# KiCad board hellen88bmw.kicad_pcb (continued)
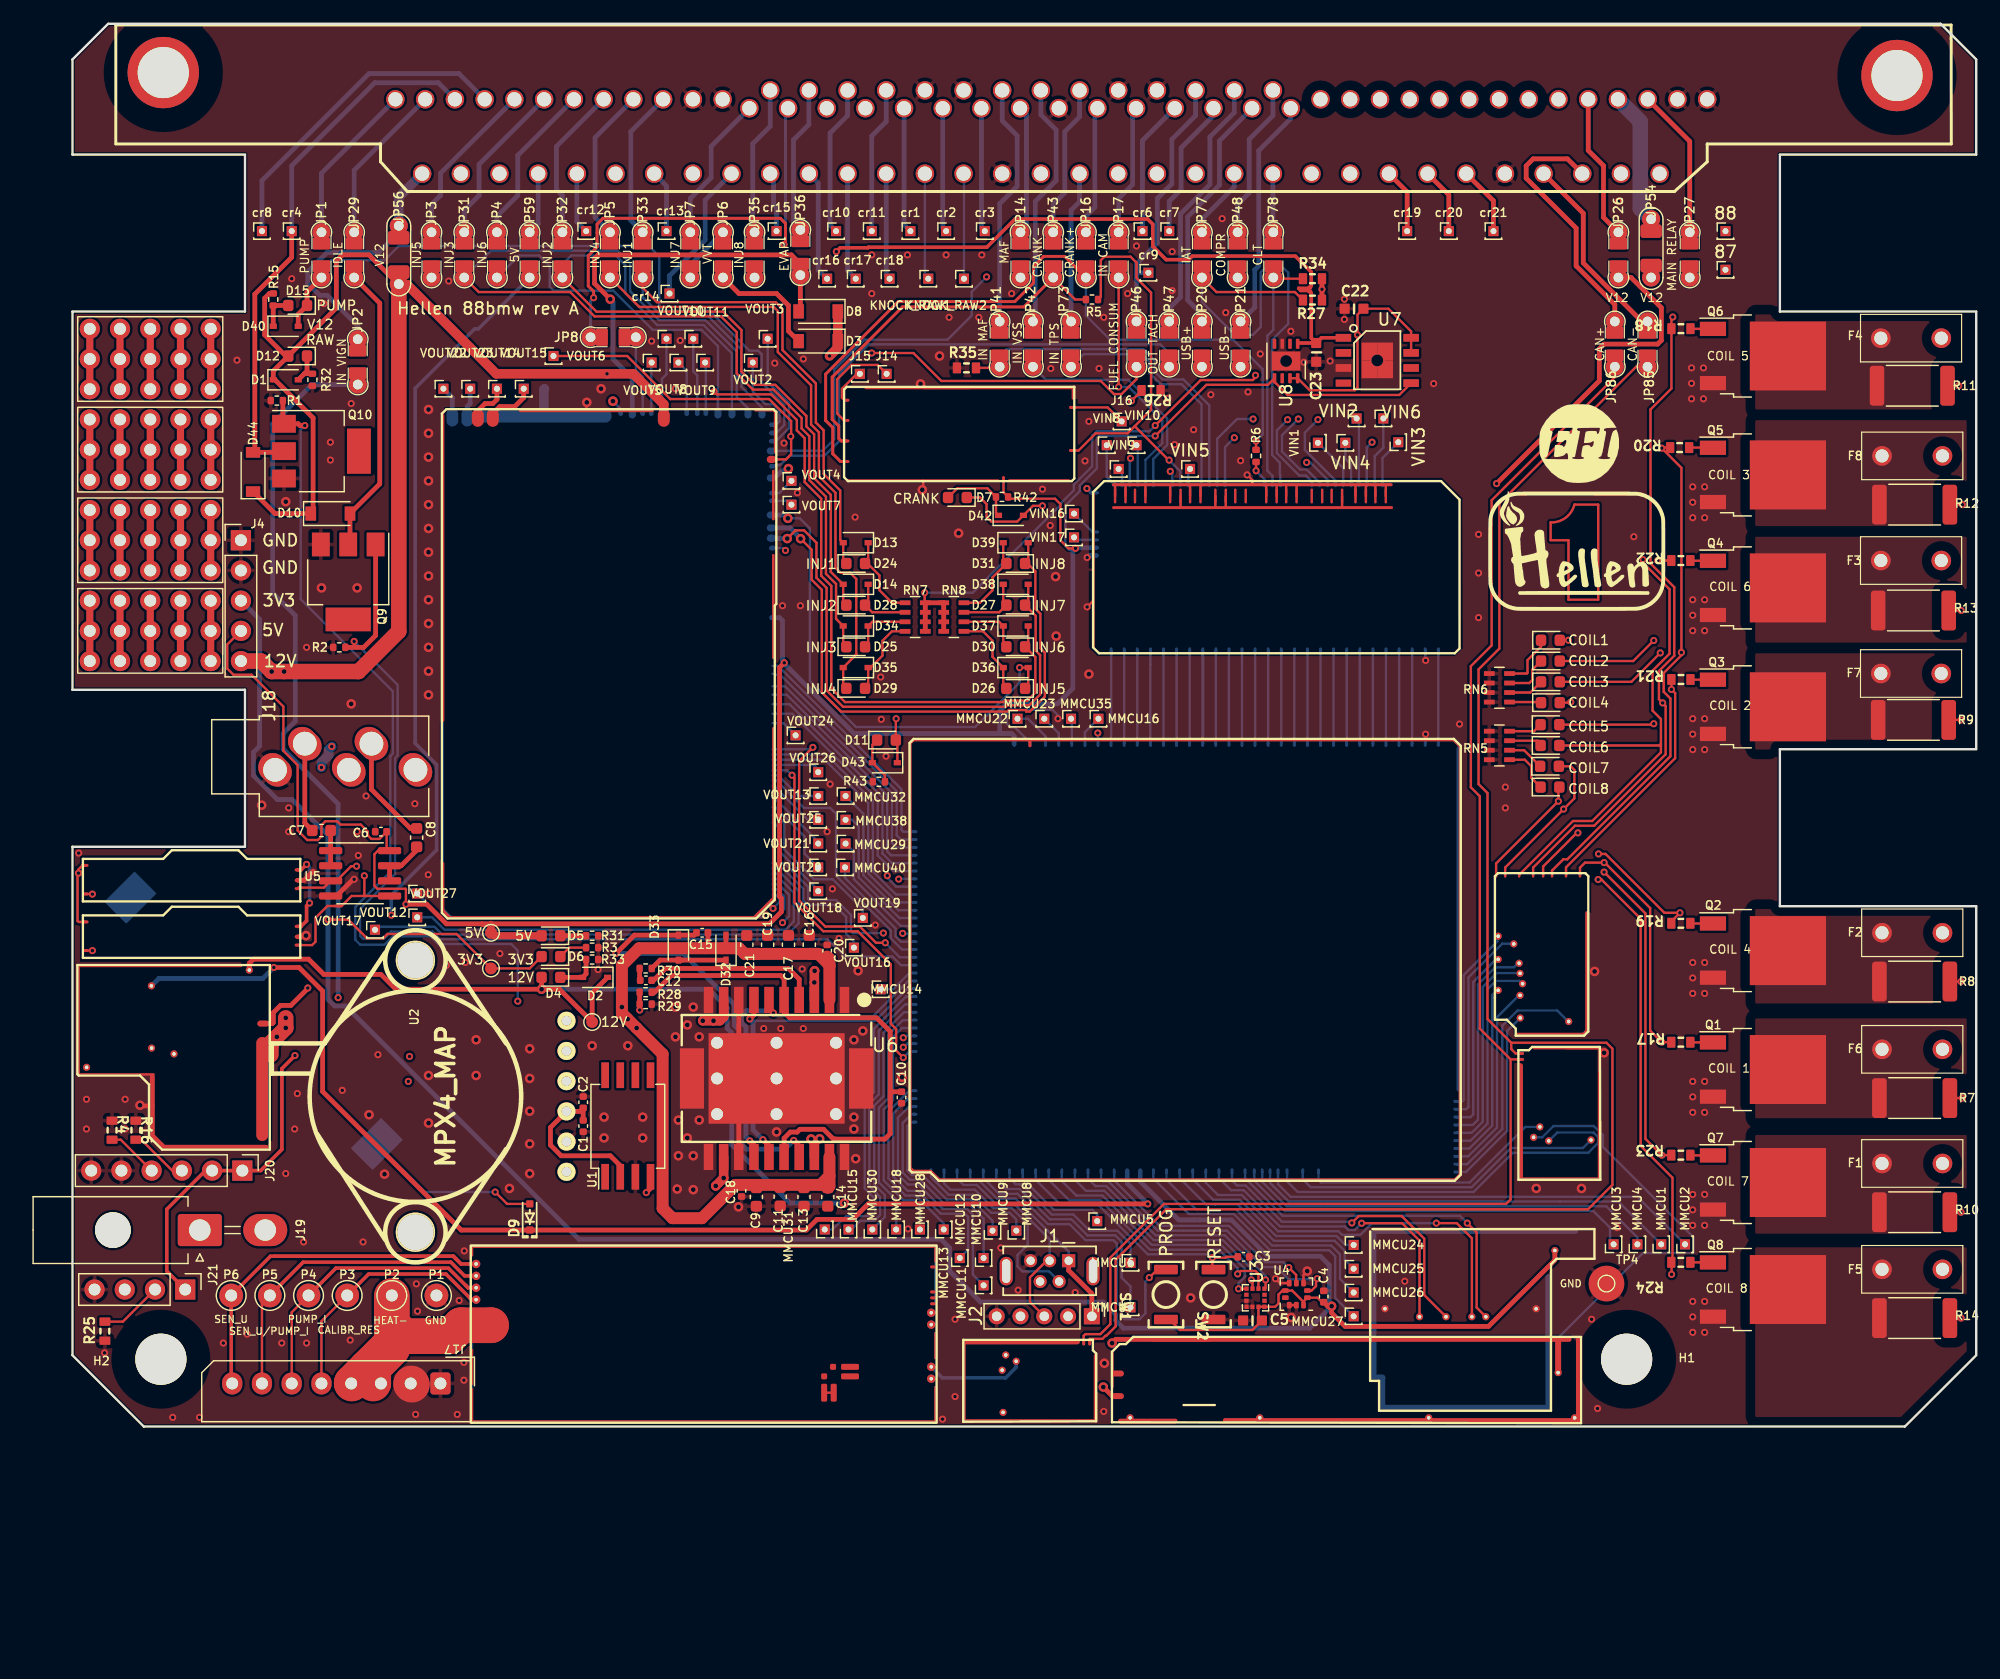
[diagram p0: board, top side]
## Library data of the parts (continued)

## Footprints (pads in the part's own frame, mm; a bottom-side part is the same pattern mirrored in y, then rotated)
88pin_STS
  round 6 hole 4.3: (-19.51,2.25) (126.2,2)
  round 1.55 hole 1.2: 1(0,0) 2(5,0) 3(10,0) 4(15,0) 5(20,0) 6(25,0) 7(29.75,-0.75) 8(33,-0.75) 9(36.25,-0.75) 10(39.5,-0.75) 11(42.75,-0.75) 12(46,-0.75) 13(49.25,-0.75) 14(52.5,-0.75) 15(55.75,-0.75) 16(59,-0.75) 17(62.25,-0.75) 18(65.5,-0.75) 19(68.75,-0.75) 20(72,-0.75) 21(75.25,-0.75) 22(80.25,0) 23(85.25,0) 24(90.25,0) 25(95.25,0) 26(100.25,0) 27(105.25,0) 28(110.25,0) 29(2.5,0) 30(7.5,0) 31(12.5,0) 32(17.5,0) 33(22.5,0) 34(27.5,0) 35(31.5,0.75) 36(34.75,0.75) 37(38,0.75) 38(41.25,0.75) 39(44.5,0.75) 40(47.75,0.75) 41(51,0.75) 42(54.25,0.75) 43(57.5,0.75) 44(60.75,0.75) 45(64,0.75) 46(67.25,0.75) 47(70.5,0.75) 48(73.75,0.75) 49(77.75,0) 50(82.75,0) 51(87.75,0) 52(92.75,0) 53(97.75,0) 54(102.75,0) 55(107.75,0) 56(2.25,-6.25) 57(5.5,-6.25) 58(8.75,-6.25) 59(12,-6.25) 60(15.25,-6.25) 61(18.5,-6.25) 62(21.75,-6.25) 63(25,-6.25) 64(28.25,-6.25) 65(31.5,-6.25) 66(34.75,-6.25) 67(38,-6.25) 68(41.25,-6.25) 69(44.5,-6.25) 70(47.75,-6.25) 71(51,-6.25) 72(54.25,-6.25) 73(57.5,-6.25) 74(60.75,-6.25) 75(64,-6.25) 76(67.25,-6.25) 77(70.5,-6.25) 78(73.75,-6.25) 79(77,-6.25) 80(80.25,-6.25) 81(83.5,-6.25) 82(86.75,-6.25) 83(90,-6.25) 84(93.25,-6.25) 85(96.5,-6.25) 86(99.75,-6.25) 87(103,-6.25) 88(106.25,-6.25)
36911600000
  round 1.65 hole 1.1: 1(-2.54,0) 2(2.54,0)
BatteryHolder_Keystone_1060_1x2032
  rect 2.6x3.6 smd: 1(-14.65,0) 2(14.65,0)
C0603
  rrect 0.85x0.85 smd: 1(-0.79,0) 2(0.79,0)
C_0402_1005Metric
  rrect 0.56x0.62 smd: 1(-0.48,0) 2(0.48,0)
C_0603_1608Metric
  rrect 0.9x0.95 smd: 1(-0.775,0) 2(0.775,0)
can
  oval 0.2x5.67 smd: E1(0.2,4.138)
  oval 11.1x0.2 smd: E1(5.675,6.875)
  oval 9.8x0.4 smd: E1(6.375,0.275)
  oval 0.5x0.25 smd: E1(11,0.275)
  oval 0.2x6.8 smd: E1(11.175,3.538)
  oval 0.25x0.5 smd: S1(0.65,0.325) S2(1.15,0.325)
  round 0.6 hole 0.3: V1(7.7,1.375) V2(6.825,1.9) V5(8,2.65) V6(7.925,6.2)
D_SOD-123
  rect 0.9x1.2 smd: 1(-1.65,0) 2(1.65,0)
D_SOD-323
  rect 0.6x0.45 smd: 1(-1.05,0) 2(1.05,0)
HVSON-8-1EP_3x3mm_P0.65mm_EP1.6x2.4mm
  rrect 0.64x0.97 smd: (-0.4,0.6) (-0.4,-0.6) (0.4,0.6) (0.4,-0.6)
  rrect 0.85x0.3 smd: 1(-1.45,0.975) 2(-1.45,0.325) 3(-1.45,-0.325) 4(-1.45,-0.975) 5(1.45,-0.975) 6(1.45,-0.325) 7(1.45,0.325) 8(1.45,0.975)
  rect 1.6x2.4 smd: 9(0,0)
ign8
  oval 0.25x10.2 smd: G(0.15,8.4)
  oval 0.65x0.25 smd rot 45: G(0.3,13.5)
  oval 5.8x0.25 smd: G(3.263,13.65)
  oval 0.2x0.4 smd: S1(7.775,0.275) S2(7.015,0.275) S3(5.84,0.275) S4(4.665,0.275) S5(3.825,0.275) S6(3.075,0.275) S7(1.9,0.275) S8(0.725,0.275)
  round 0.6 hole 0.3: V1(5.765,10.375) V2(7.6,9.95) V3(5.55,9.4) V4(5.765,8.525) V5(5.84,7.675) V6(7.6,7.35) V7(6.29,6.05) V8(7.6,5.4) V9(1.675,12.575) V10(5.75,12.275)
input
  rrect 0.5x0.25 smd far side: E1(30.65,6.358) E2(30.65,5.698) E3(30.65,5.038) E4(30.65,4.378) E5(30.65,1.078)
  rrect 0.2x13 smd: E1(30.85,7.545)
  rrect 23.6x0.25 smd: J1(17.495,2.325) J2(17.52,0.4)
  rrect 0.2x1.25 smd: J3(6.295,1.35) J4(7.17,1.35) J5(7.97,1.35) J6(8.845,1.35) J7(9.97,1.35) J8(10.845,1.35) J9(11.645,1.35) J10(12.52,1.35) J11(13.795,1.35) J12(14.67,1.35) J13(15.47,1.35) J14(16.345,1.35) J15(18.07,1.35) J16(18.945,1.35) J17(19.745,1.35) J18(20.62,1.35) J19(21.87,1.35) J20(22.745,1.35) J21(23.545,1.35) J22(24.42,1.35) J23(26.5,1.35) J24(27.375,1.35) J25(28.175,1.35) J26(29.05,1.35)
  rrect 0.25x0.5 smd far side: N1(1.88,14.327) N2(2.98,14.327) N3(4.08,14.327) N4(5.18,14.327) N5(6.28,14.327) N6(7.38,14.327) N7(8.48,14.327) N8(9.58,14.327) N9(10.68,14.327) N10(11.78,14.327) N11(12.88,14.327) N12(13.98,14.327) N13(15.08,14.327) N14(16.18,14.327) N15(17.28,14.327) N16(18.38,14.327) N17(19.48,14.327) N18(20.58,14.327) N19(21.68,14.327) N20(22.78,14.327) N21(23.88,14.327) N22(24.98,14.327) N23(26.08,14.327) N24(27.18,14.327) N25(28.28,14.327) N26(29.38,14.327) S1(29.129,0.365) S2(28.469,0.365) S3(27.809,0.365) S4(27.149,0.365) S5(26.489,0.365) S6(25.829,0.365) S7(24.228,0.365) S8(23.568,0.365) S9(22.908,0.365) S10(21.787,0.365) S11(21.127,0.365) S12(20.467,0.365) S13(19.807,0.365) S14(16.481,0.365) S15(15.821,0.365) S16(15.161,0.365) S17(12.515,0.365) S18(11.855,0.365) S19(11.195,0.365) S20(10.535,0.365) S21(9.875,0.365) S22(9.215,0.365) S23(8.555,0.365) S24(7.895,0.365) S25(7.235,0.365) S26(6.575,0.365)
Jack_3.5mm_PJ-3250-5A
  oval 3x2.4 hole 2 rot 45: R(1.9,-4.3) RN(-0.3,-2.4) S(-0.3,3.8) T(1.9,1.3) TN(-0.3,-8)
knock
  oval 0.5x0.25 smd: E1(18.15,2.75) E2(18.15,1.875) E3(18.15,1.175) W1(0.325,0.725) W2(0.325,3.125)
LED_0603_1608Metric
  rrect 0.875x0.95 smd: 1(-0.787,0) 2(0.787,0)
LGA-12_2x2mm_P0.5mm
  rect 0.375x0.35 smd: 1(-0.762,0.75) 2(-0.762,0.25) 3(-0.762,-0.25) 4(-0.762,-0.75) 7(0.762,-0.75) 8(0.762,-0.25) 9(0.762,0.25) 10(0.762,0.75)
  rect 0.35x0.375 smd: 5(-0.25,-0.762) 6(0.25,-0.762) 11(0.25,0.762) 12(-0.25,0.762)
mcu
  rrect 0.5x0.25 smd far side: E1(46.002,32.325) E2(46.002,31.665) E3(46.002,31.005) E4(46.002,30.345) E5(46.002,29.685) E6(46.002,26.385) E7(46.002,25.725) E8(46.002,25.065) E9(46.002,24.405) E10(46.002,23.745) E11(46.002,23.085) E12(46.002,22.425) E13(46.002,21.765) E14(46.002,21.105) E15(46.002,20.445) E16(46.002,19.785) E17(46.002,19.125) E18(46.002,18.465) E19(46.002,17.805) E20(46.002,17.145) E21(46.002,16.485) E22(46.002,15.825) E23(46.002,15.165) E24(46.002,14.505) E25(46.002,13.845) E26(46.002,13.185) E27(46.002,12.525) E28(46.002,11.865) E29(46.002,11.205) E30(46.002,10.545) E31(46.002,9.885) E32(46.002,9.225) E33(46.002,8.565) E34(46.002,7.905) W1(0.475,30.58) W2(0.475,31.24) W3(0.475,31.9) W4(0.475,32.56) W5(0.475,33.22) W6(0.475,33.88) W7(0.475,34.54) W8(0.475,35.2) W9(0.475,35.86) W10(0.475,36.52)
  rrect 0.25x0.5 smd far side: N1(12.055,36.452) N2(13.375,36.452) N3(14.695,36.452) N4(15.455,36.452) N5(16.12,36.452) N6(16.785,36.452) N7(17.45,36.452) N8(18.225,36.452) N9(19.325,36.452) N10(20.425,36.452) N11(21.525,36.452) N12(22.625,36.452) N13(23.725,36.452) N14(24.825,36.452) N15(25.925,36.452) N16(27.025,36.452) N17(28.125,36.452) N18(29.225,36.452) N19(30.325,36.452) N20(31.425,36.452) N21(32.525,36.452) N22(33.625,36.452) N23(34.725,36.452) N24(35.825,36.452) N25(36.925,36.452) N26(38.025,36.452) N27(39.125,36.452) N28(40.225,36.452) N29(41.325,36.452) N30(42.425,36.452) N31(43.525,36.452) N32(44.625,36.452) S1(37.625,0.523) S2(36.305,0.523) S3(34.985,0.523) S4(33.885,0.523) S5(32.785,0.523) S6(31.685,0.523) S7(30.585,0.523) S8(29.485,0.523) S9(28.385,0.523) S10(27.285,0.523) S11(26.185,0.523) S12(25.085,0.523) S13(23.985,0.523) S14(22.885,0.523) S15(21.785,0.523) S16(20.685,0.523) S17(19.585,0.523) S18(18.485,0.523) S19(17.385,0.523) S20(16.285,0.523) S21(15.185,0.523) S22(14.085,0.523) S23(12.985,0.523) S24(11.885,0.523) S25(10.785,0.523) S26(9.685,0.523) S27(8.585,0.523) S28(7.485,0.523) S29(6.385,0.523) S30(5.285,0.523) S31(4.185,0.523) S32(3.085,0.523) S33(1.985,0.523)
  rrect 0.2x36.19 smd: S2(0.175,18.722)
  rrect 0.2x29 smd far side: S2(0.34,15.24)
  rrect 0.2x0.8 smd rot 135: S2(0.39,36.935)
  rrect 0.2x0.94 smd rot 45: S2(0.438,0.462)
  rrect 43.5x0.2 smd: S2(22.265,37.15)
  rrect 45.6x0.2 smd: S2(23.4,0.2)
  rrect 0.25x0.7 smd: S2(36.305,0.45)
  rrect 0.2x1.2 smd rot 45: S2(44.288,36.788)
  rrect 1.6x0.2 smd: S2(45.375,36.425)
  rrect 0.2x0.58 smd rot 135: S2(46.212,0.338)
  rrect 0.2x0.55 smd rot 45: S2(46.225,36.3)
  rrect 0.2x35.9 smd: S2(46.35,18.325)
Molex_Mini-Fit_Jr_5569-02A2_2x01_P4.20mm_Horizontal
  round 3 hole 3 unplated: (0,7.3)
  rrect 2.7x3.7 hole 1.8: 1(0,0)
  oval 2.7x3.7 hole 1.8: 2(0,-5.5)
MountingHole_4.3mm_M4_DIN965
  round 4.3 hole 4.3 unplated: (0,0)
MPX-4_MAP
  round 3.302 hole 3.048: (-11.43,-3.81) (11.43,-3.81)
  round 1.524 hole 0.813: 1(-6.35,-16.51) 2(-3.81,-16.51) 3(-1.27,-16.51) 4(1.27,-16.51) 5(3.81,-16.51) 6(6.35,-16.51)
output
  oval 0.2x3.6 smd: G(0.175,2.025)
  oval 0.2x0.3 smd rot 45: G(0.245,0.273)
  oval 0.2x4.25 smd: G(0.325,7.335)
  oval 0.2x14.4 smd: G(0.327,34.056)
  oval 0.2x8.825 smd: G(0.327,16.697)
  oval 1.7x0.2 smd: G(1.075,0.2)
  oval 2.43x0.2 smd rot 45: G(1.135,42.031)
  oval 25.7x0.2 smd: G(14.7,42.835)
  oval 25.6x0.2 smd far side: G(14.7,42.825)
  oval 11.325x0.2 smd: G(16.025,0.26)
  oval 0.2x1.2 smd far side rot 45: G(27.745,42.47)
  oval 1x0.2 smd rot 135: G(27.789,42.551)
  oval 0.2x25.85 smd: G(28.075,13.46)
  oval 0.2x4.15 smd: G(28.077,40.271)
  oval 0.2x40.8 smd far side: G(28.1,21.8)
  oval 1x1.5 smd far side: S1(27.302,0.814) S2(26.046,0.814)
  oval 11.4x1.1 smd far side: S3(19.602,0.689)
  oval 1x1.5 smd: S4(25.157,0.839) S5(23.902,0.839) S11(9.527,0.839)
  oval 0.4x0.6 smd far side: S6(13.152,0.389) S8(11.307,0.389) S9(10.577,0.389) S10(9.682,0.389) S12(7.607,0.389) S13(6.707,0.389) S14(5.997,0.389)
  oval 0.6x0.8 smd far side: S7(12.177,0.489) S15(4.977,0.489) S16(3.802,0.489) S17(2.452,0.489) S18(1.277,0.489)
  oval 0.6x0.4 smd far side: W1(0.377,1.419) W2(0.377,2.114) W3(0.377,2.794) W6(0.377,4.919) W8(0.377,7.164) W9(0.377,7.814) W13(0.377,11.789) W14(0.377,17.639)
  oval 0.8x0.6 smd far side: W4(0.472,3.614) W7(0.472,5.889) W10(0.472,9.014) W11(0.472,10.089) W12(0.472,10.964)
  oval 0.8x0.6 smd: W5(0.472,4.335)
  oval 0.4x0.2 smd far side: W15(0.272,21.694) W16(0.272,22.354) W17(0.272,23.414) W18(0.272,24.118) W19(0.272,24.918) W20(0.272,25.718) W21(0.272,26.514) W22(0.272,28.709) W23(0.272,29.149) W24(0.272,29.589) W25(0.272,30.029) W26(0.272,30.469) W27(0.272,30.909) W28(0.272,31.349) W29(0.272,31.789) W30(0.272,32.914) W31(0.272,33.574) W32(0.272,34.234) W33(0.272,34.894) W34(0.272,38.299) W35(0.272,38.739) W36(0.272,39.179) W37(0.272,39.619) W38(0.272,40.059) W39(0.272,40.499) W40(0.272,40.939)
PAD-0805-PAD
  round 1.524 hole 0.813: 1(-1.905,0) 2(1.905,0)
  rrect 1x1.45 smd: 1(-0.95,0) 2(0.95,0)
PAD-1206-PAD
  round 1.524 hole 0.813: 1(-2.45,0) 2(2.45,0)
  rrect 1.15x1.8 smd: 1(-1.45,0) 2(1.45,0)
PG-DSO-8-43
  rect 1.31x0.65 smd: 1(-2.845,1.905) 2(-2.845,0.635) 3(-2.845,-0.635) 5(2.845,-1.905) 6(2.845,-0.635) 7(2.845,0.635) 8(2.845,1.905)
  rect 1.31x0.6 smd: 4(-2.845,-1.905)
  rect 1.325x1.5 smd: 9(-0.662,0.75) 9(-0.662,-0.75) 9(0.662,0.75) 9(0.662,-0.75)
Pin_D1.0mm_L10.0mm
  round 2 hole 1: 1(0,0)
PinHeader_1x01_P1.00mm_Vertical
  rect 0.85x0.85 hole 0.5: 1(0,0)
PinHeader_1x04_P2.54mm_Vertical
  rect 1.7x1.7 hole 1: 1(0,0)
  oval 1.7x1.7 hole 1: 2(0,-2.54) 3(0,-5.08) 4(0,-7.62)
PinHeader_1x05_P2.00mm_Vertical
  rect 1.35x1.35 hole 0.8: 1(0,0)
  oval 1.35x1.35 hole 0.8: 2(0,-2) 3(0,-4) 4(0,-6) 5(0,-8)
PinHeader_1x05_P2.54mm_Vertical
  rect 1.7x1.7 hole 1: 1(0,0)
  oval 1.7x1.7 hole 1: 2(0,-2.54) 3(0,-5.08) 4(0,-7.62) 5(0,-10.16)
PinHeader_1x06_P2.54mm_Vertical
  rect 1.7x1.7 hole 1: 1(0,0)
  oval 1.7x1.7 hole 1: 2(0,-2.54) 3(0,-5.08) 4(0,-7.62) 5(0,-10.16) 6(0,-12.7)
power5
  oval 0.4x7.2 smd: G(0.325,3.719)
  round 0.6 hole 0.3: G(0.637,6.9) G(12.9,6.9) G(27.1,6.9) G(38,6.9) V2(2.025,3.1)
  oval 30x0.4 smd: G(15.2,7.125)
  oval 5x0.4 smd: G(36.513,7.175)
  oval 1x0.5 smd: G(39.02,3.175) V1(39.02,5.075)
  oval 0.2x3.1 smd: G(39.495,2.875)
  oval 0.5x3 smd: V2(2.025,1.717)
  oval 35.4x0.4 smd: V2(18.6,0.3)
power12
  oval 1x0.5 smd: E1(15.725,10.7)
  oval 1x8.745 smd: E2(15.64,5.197)
  oval 0.2x9.2 smd: S1(0.2,10.944)
  oval 0.2x0.5 smd: S1(0.2,6.65)
  oval 6.5x0.2 smd: S1(3.35,6.425)
  oval 0.4x5.4 smd: S1(6.4,3.775)
  oval 0.4x1.6 smd rot 45: S1(6.9,0.775)
  oval 13.8x0.2 smd: S1(7.044,15.55)
  oval 9x0.4 smd: S1(11.65,0.3)
  round 0.6 hole 0.3: V1(14.55,15.2) V2(6.325,13.875) V3(6.343,8.643) V4(8.225,8.15) V5(0.875,7.025)
PROTO_AREA
  round 1.7 hole 1: 1(0,0) 2(2.54,0) 3(5.08,0) 4(7.62,0) 5(10.16,0) 6(0,-2.54) 7(2.54,-2.54) 8(5.08,-2.54) 9(7.62,-2.54) 10(10.16,-2.54) 11(0,-5.08) 12(2.54,-5.08) 13(5.08,-5.08) 14(7.62,-5.08) 15(10.16,-5.08)
R0603
  rrect 0.7x0.92 smd: 1(-0.8,0) 2(0.8,0)
R_0402_1005Metric
  rrect 0.54x0.64 smd: 1(-0.51,0) 2(0.51,0)
R_2512_6332Metric
  rrect 1.225x3.35 smd: 1(-2.962,0) 2(2.962,0)
R_Array_Concave_4x0603
  rect 0.9x0.4 smd: 1(-0.85,1.2) 2(-0.85,0.4) 3(-0.85,-0.4) 4(-0.85,-1.2) 5(0.85,-1.2) 6(0.85,-0.4) 7(0.85,0.4) 8(0.85,1.2)
sd
  oval 0.5x11.4 smd: G(3.975,5.887)
  oval 17.4x0.4 smd: G(10.175,15.175)
  oval 14.45x0.5 smd: G(10.945,0.35)
  oval 0.5x3 smd: G(17.925,1.625)
  oval 1.2x0.5 smd: G(18.275,2.9)
  oval 0.5x12.7 smd: G(18.675,9.012)
  round 0.6 hole 0.3: V1(3.425,13.575) V2(5,8.67) V3(17.704,8.679) V4(9.225,8) V5(10.4,8) V6(12.575,8) V7(14.8,8)
SMD-2_2.9x3.9x1.7
  rrect 0.8x2 smd: 1(-2.1,0) 2(2.1,0)
SO20POWER
  rect 0.8x2.2 smd: 1(-5.715,-6.6) 2(-4.445,-6.6) 3(-3.175,-6.6) 4(-1.905,-6.6) 5(-0.635,-6.6) 6(0.635,-6.6) 7(1.905,-6.6) 8(3.175,-6.6) 9(4.445,-6.6) 10(5.715,-6.6) 11(5.715,6.6) 12(4.445,6.6) 13(3.175,6.6) 14(1.905,6.6) 15(0.635,6.6) 16(-0.635,6.6) 17(-1.905,6.6) 18(-3.175,6.6) 19(-4.445,6.6) 20(-5.715,6.6)
  rect 2.032x5.08 smd: SLUG1(-7.112,0) SLUG3(7.112,0)
  round 1.3 hole 1: SLUG2(-5,3) SLUG2(-5,0) SLUG2(-5,-3) SLUG2(0,3) SLUG2(0,0) SLUG2(0,-3) SLUG2(5,3) SLUG2(5,0) SLUG2(5,-3)
  rect 11.43x7.62 smd: SLUG2(0,0)
SOD-323
  rrect 0.6x0.6 smd: 1(-1.1,0) 2(1.1,0)
SOIC-8_3.9x4.9mm_P1.27mm
  rrect 1.95x0.6 smd: 1(-2.475,1.905) 2(-2.475,0.635) 3(-2.475,-0.635) 4(-2.475,-1.905) 5(2.475,-1.905) 6(2.475,-0.635) 7(2.475,0.635) 8(2.475,1.905)
SOT-223
  rect 2x1.5 smd: 1(-3.15,2.3) 2(-3.15,0) 3(-3.15,-2.3)
  rect 2x3.8 smd: 4(3.15,0)
SSO-8_6.8x5.9mm_P1.27mm_Clearance7mm
  rect 2.16x0.64 smd: 1(-4.27,1.905) 2(-4.27,0.635) 3(-4.27,-0.635) 4(-4.27,-1.905) 5(4.27,-1.905) 6(4.27,-0.635) 7(4.27,0.635) 8(4.27,1.905)
ST_HLGA-10_2.5x2.5mm_P0.6mm_LayoutBorder3x2y
  rrect 0.55x0.4 smd: 1(-0.925,0.3) 2(-0.925,-0.3) 6(0.925,-0.3) 7(0.925,0.3)
  rrect 0.4x0.55 smd: 3(-0.6,-0.925) 4(0,-0.925) 5(0.6,-0.925) 8(0.6,0.925) 9(0,0.925) 10(-0.6,0.925)
TestPoint_Pad_D1.0mm
  round 3 smd: 1(0,0)
TestPoint_Pad_D1.0mm#2
  round 1 smd: 1(0,0)
TO-252-2
  rect 3.05x2.75 smd: (0.425,1.525) (0.425,-1.525) (3.775,1.525) (3.775,-1.525)
  rect 2.2x1.2 smd: 1(-4.2,2.28) 3(-4.2,-2.28)
  rect 6.4x5.8 smd: 2(2.1,0)
USB-MINI-B-VERTICAL
  rect 1.1x1.1 hole 0.7: 1(-1.6,-0.875)
  round 1.1 hole 0.7: 2(-0.8,0.875) 3(0,-0.875) 4(0.8,0.875) 5(1.6,-0.875)
  oval 1.1x2.4 hole 0.7x2: 6(-3.65,0) 6(3.65,0)
vr
  oval 0.5x0.25 smd: E1(19.45,6.375) E2(19.45,4.65) E3(19.45,2.925) E4(19.45,1.225) W1(0.494,1.829) W2(0.5,5.45)
  oval 0.2x1 smd: G(0.418,0.664)
  oval 5.2x0.2 smd: G(3.255,7.969)
  oval 17.6x0.2 smd: G(9.127,0.197)
  oval 12.8x0.2 smd: G(13,7.975)
  oval 0.25x0.5 smd: N1(6.25,7.85)
wbo
  round 0.7 hole 0.3: E1(38.8,1.65) E2(38.8,2.65) E3(38.8,3.65) E4(38.8,4.65) W1(0.55,11.3) W2(0.55,10.3) W3(0.55,6.75) W4(0.55,5.75)
  round 3 smd: E5(37.55,6.8)
  rect 0.25x3 smd: E6(39.175,10.3)
  rect 0.25x3.1 smd: G(0.175,13.5)
  rect 0.25x3.1 smd far side: G(0.175,13.5)
  rect 0.25x2.25 smd: G(0.175,8.525)
  rect 0.25x2.25 smd far side: G(0.175,8.525)
  rect 0.25x5.05 smd far side: G(0.175,2.575)
  rect 0.25x1.45 smd: G(0.175,0.775)
  rect 39.25x0.25 smd: G(19.675,14.925) G(19.675,0.175)
  rect 39.25x0.25 smd far side: G(19.675,14.925) G(19.675,0.175)
  rect 0.25x2.95 smd: G(39.175,13.575)
  rect 0.25x9.75 smd far side: G(39.175,10.175)
  rect 0.25x0.95 smd: G(39.175,0.525)
  rect 0.25x0.95 smd far side: G(39.175,0.525)
  rrect 0.5x1.5 smd: J1(9.55,12.475) J_GND1(8.75,12.475)
  rrect 1.5x0.5 smd: J2(7.375,10.3) J_VCC2(7.375,11.1)
  rrect 0.5x0.5 smd: J_GND2(8.8,10.3) J_VCC1(9.55,11.1)
  rrect 0.5x0.25 smd: W5(0.4,5) W6(0.4,4.5) W7(0.4,4) W8(0.4,1.9)
XH-8A
  rrect 1.7x1.85 hole 1: 1(-8.75,-1.1)
  oval 1.7x1.85 hole 1: 2(-6.25,-1.1) 3(-3.75,-1.1) 4(-1.25,-1.1) 5(1.25,-1.1) 6(3.75,-1.1) 7(6.25,-1.1) 8(8.75,-1.1)

## Nets
+3V3: C4.1 C5.2 D6.2 J4.3 M11.N16 M13.V1 SW1.2 TP3.1 U3.9 U3.10 U4.1 U4.6 U4.10
+5V: C6.1 D5.2 J4.4 M1.E1 M2.V1 M3.W1 M4.V1 M5.V2 M6.N1 M7.E2 M9.W14 M11.S1 R42.1 TP2.1 U5.8 U7.5 U8.5
+5VA: C1.1 C2.1 M7.E5 M7.J1 M7.J7 M7.J17 M7.J18 M7.J21 M7.N1 M8.E1 M11.S33 M12.E1 R27.2 R34.2 U1.2 U2.3
+5VP: C23.2 J20.1 J20.2 J21.1 JP59.2 U7.1 U8.1
+12V: D2.1 D4.2 M1.V1 M5.V1 TP1.1
+12V_RAW: C9.1 C11.1 C13.1 C14.1 C15.1 C16.1 C17.1 C18.1 C19.1 C20.1 C21.1 D1.1 D3.1 D8.1 D10.1 D12.2 D32.2 D44.1 J4.5 JP54.2 JP56.2 M1.E2 M9.S11 R15.1 U6.2 U6.19
/12V_prot: C22.2 M9.W5 RN7.1 RN7.2 RN7.3 RN7.4 RN8.1 RN8.2 RN8.3 RN8.4 U7.7 U7.8 U8.7 U8.8 VOUT6.1
/V12_PERM: JP26.2 M1.V4
/VBAT: D9.1 M1.V2 M11.N17
/VBUS: J1.1 J2.1 M11.N29
/VSS: M7.N20 M11.S14
GND: BT1.2 C1.2 C2.2 C3.2 C4.2 C5.1 C6.2 C9.2 C10.2 C11.2 C13.2 C14.2 C16.2 C17.2 C18.2 C19.2 C20.2 C21.2 C22.1 C23.1 J1.5 J2.5 J4.1 J4.2 J17.1 J17.2 J18.S J20.5 J20.6 J21.4 M1.S1 M2.E1 M3.E6 M3.G M4.E1 M5.G M6.G M7.E1 M7.J2 M7.J3 M7.J4 M7.J5 M7.J6 M7.J11 M7.J12 M7.J13 M7.J14 M7.J19 M7.J20 M7.J22 M7.J23 M7.J25 M7.J26 M7.N2 M8.E2 M9.G M9.S3 M10.G M11.S2 M11.S32 M12.E2 M13.G M13.V2 M13.V3 P1.1 PP1.6 PP1.15 PP1.28 PP1.34 PP1.39 PP1.40 PP1.44 PP1.45 PP1.55 PP1.71 PP1.84 Q1.3 Q2.3 Q3.3 Q4.3 Q5.3 Q6.3 Q7.3 Q8.3 Q9.3 Q10.3 R1.1 R2.1 R3.2 R4.1 R16.1 R25.1 R26.1 R29.1 R31.2 R32.2 R33.2 R35.1 R43.2 RN5.1 RN5.2 RN5.3 RN5.4 RN6.1 RN6.2 RN6.3 RN6.4 SW2.2 TP4.1 U1.3 U2.2 U3.6 U3.7 U3.8 U4.3 U4.5 U4.8 U4.9 U5.4 U6.1 U6.8 U6.10 U6.11 U6.13 U6.20 U6.SLUG1 U6.SLUG2 U6.SLUG3 U7.3 U7.9 U8.3 U8.9
/+ETB: M11.E14 U6.7 U6.15
/-ETB: M11.E15 U6.6 U6.14
/A1: M7.N4 M11.S30
/A2: M7.N12 M11.S22
/A4: M7.N11 M11.S23
/AC_COMPR: M9.W34 M11.E21
/AFR: M7.N18 M11.S16
/AUX4: M7.N7 M11.S27
/BOOT0: M11.N28 SW1.1
/CAM: M7.N19 M11.S15
/CAN+: JP86.2 M2.S2 M4.S2
/CAN-: JP85.2 M2.S1 M4.S1
/CAN_RX: M2.V6 M11.N2
/CAN_TX: M2.V5 M11.N3
/CAN_VIO: M2.V2 M11.N1
/CLT: M7.N16 M11.S18
/COIL_1: F6.2 Q1.2 R7.1
/COIL_2: F7.2 Q3.2 R9.1
/COIL_3: F8.2 Q5.2 R12.2
/COIL_4: F2.2 Q2.2 R8.1
/COIL_5: F4.2 Q6.2 R11.2
/COIL_6: F3.2 Q4.2 R13.2
/COIL_7: F1.2 Q7.2 R10.1
/COIL_8: F5.2 Q8.2 R14.2
/CRANK: M7.N21 M11.S13
/ETB_EN: M11.E27 R28.2 R29.2
/EVAP: M9.W38 M11.E7
/FUEL_CONSUM: M9.W22 M11.E18
/HV_1: F6.1 PP1.50
/HV_2: F7.1 PP1.51
/HV_3: F8.1 PP1.52
/HV_4: F2.1 PP1.23
/HV_5: F4.1 PP1.25
/HV_6: F3.1 PP1.24
/HV_7: F1.1 PP1.22
/HV_8: F5.1 PP1.49
/IAT: M7.N15 M11.S19
/ICV: M11.E28 Q10.1 R1.2
/IDLE: M11.E17 Q9.1 R2.2
/IGN1: M10.V8 M11.W1
/IGN2: M10.V7 M11.W2
/IGN3: M10.V6 M11.W3
/IGN4: M10.V5 M11.W4
/IGN5: M10.V4 M11.W5
/IGN6: M10.V3 M11.W6
/IGN7: M10.V2 M11.W7
/IGN8: M10.V1 M11.W8
/IGN_V5: M10.V9 M11.W9
/IGN_V33: M10.V10 M11.W10
/IN_CAM: JP17.2 M7.S5
/IN_CLT: JP78.2 M7.S15 R34.1
/IN_CRANK: D7.1 D42.2 M6.W2 M7.S8 R5.2
/IN_CRANK+: JP43.2 M6.E2 R5.1
/IN_CRANK-: JP16.2 M6.E1 R6.1
/IN_IAT: JP77.2 M7.S16 R27.1
/IN_KNOCK1: M7.S7 M8.E3 U5.3
/IN_KNOCK1_RAW: KNOCK_RAW1.1 M8.W1 PP1.69
/IN_KNOCK2: M7.S3 M12.E3 R26.2 U5.5
/IN_KNOCK2_RAW: KNOCK_RAW2.1 M12.W1 PP1.70
/IN_MAF: JP14.2 JP41.2 M7.S11 R35.2
/IN_MAP2: M7.S12 U2.1
/IN_PPS1: J21.3 M7.S24
/IN_PPS2: J21.2 M7.S18 R25.2
/IN_TPS: JP73.2 M7.S10
/IN_TPS2: J20.4 M7.S17 R4.2
/IN_TPS3: J20.3 M7.S20 R16.2
/IN_VIGN: JP2.2 M1.V3
/IN_VSS: JP42.2 M7.S6
/INJ1: M9.W24 M11.E25
/INJ2: M9.W23 M11.E26
/INJ3: M9.W20 M11.E29
/INJ4: M9.W19 M11.E30
/INJ5: M9.W18 M11.E31
/INJ6: M9.W17 M11.E32
/INJ7: M9.W16 M11.E33
/INJ8: M9.W15 M11.E34
/INK1: M7.N22 M11.S12
/INK2: M7.N24 M11.S10
/LPS_SCL: M11.N19 U4.2
/LPS_SDA: M11.N18 U4.4
/LSU_CALIBR_RES: J17.5 M3.E4 P3.1
/LSU_HEAT-: J17.3 J17.4 M3.E5 P2.1
/LSU_PUMP_I: J17.6 M3.E3 P4.1
/LSU_SENSOR_U: J17.8 M3.E1 P6.1
/LSU_SENSOR_U/PUMP_I: J17.7 M3.E2 P5.1
/MAF: M7.N14 M11.S20
/MAIN_RELAY: M9.W40 M11.E8
/MAP2: M7.N13 M11.S21
/NRESET: C3.1 M11.N24 SW2.1
/OUT_AC_COMPR: JP48.2 M9.W4
/OUT_CHECK_ENGINE: JP8.2 M9.S8
/OUT_ETB+: J19.2 U6.3 U6.18
/OUT_ETB-: J19.1 U6.9 U6.12
/OUT_EVAP: D8.2 JP36.2 M9.S7
/OUT_FUEL_CONSUM: JP46.2 M9.S6
/OUT_FUEL_PUMP_RELAY: D15.1 D40.2 JP1.2 M9.W2
/OUT_ICV: cr4.1 D44.2 PP1.2 Q10.2
/OUT_IDLE: D10.2 JP29.2 Q9.2
/OUT_IGN1: D23.2 M10.S8 R7.2 R17.2
/OUT_IGN2: D19.2 M10.S7 R9.2 R21.2
/OUT_IGN3: D22.2 M10.S6 R12.1 R20.2
/OUT_IGN4: D18.2 M10.S5 R8.2 R19.2
/OUT_IGN5: D21.2 M10.S4 R11.1 R18.2
/OUT_IGN6: D17.2 M10.S3 R13.1 R22.2
/OUT_IGN7: D20.2 M10.S2 R10.2 R23.2
/OUT_IGN8: D16.2 M10.S1 R14.1 R24.2
/OUT_INJ1: D13.2 D24.1 JP33.2 M9.S18
/OUT_INJ2: D14.2 D28.1 JP32.2 M9.S16
/OUT_INJ3: D25.1 D34.2 JP31.2 M9.S17
/OUT_INJ4: D29.1 D35.2 JP5.2 M9.W7
/OUT_INJ5: D26.1 D36.2 JP3.2 M9.W10
/OUT_INJ6: D30.1 D37.2 JP4.2 M9.S15
/OUT_INJ7: D27.1 D38.2 JP6.1 JP7.2 M9.W12
/OUT_INJ8: D31.1 D39.2 JP35.2 M9.W11
/OUT_MAIN_RELAY: D11.2 D43.1 JP27.2 M9.W13
/OUT_TACH: JP47.2 M9.W6
/PPS1: M7.N5 M11.S29
/PPS2: M7.N9 M11.S25
/PUMP: M9.W26 M11.E6
/RES1: M7.N6 M11.S28
/RES2: M7.N3 M11.S31
/SD_CLK: M11.N9 M13.V6
/SD_CS: M11.N8 M13.V4
/SD_MISO: M11.N10 M13.V7
/SD_MOSI: M11.N11 M13.V5
/SENS1: M7.N26 M11.S8
/SENS2: M7.N25 M11.S9
/SENS4: M7.N23 M11.S11
/SPI_CS: M11.N23 U3.2
/SPI_MISO: M11.N21 U3.3
/SPI_MOSI: M11.N22 U3.4
/SPI_SCK: M11.N20 U3.1
/TACH: M9.W28 M11.E19
/TPS: M7.N17 M11.S17
/TPS2: M7.N10 M11.S24
/TPS3: M7.N8 M11.S26
/USBM: J1.2 J2.2 JP21.2 M11.N31
/USBP: J1.3 J2.3 JP20.2 M11.N30
/VIGN: M1.V5 M11.S7
/VREF1: M7.S14 R6.2
/VREF2: M7.S13 M8.W2 M12.W2
Net-(BT1-Pad1): BT1.1 D9.2
Net-(C7-Pad1): C7.1 U5.1 U5.2
Net-(C7-Pad2): C7.2 J18.T
Net-(C8-Pad1): C8.1 U5.6 U5.7
Net-(C8-Pad2): C8.2 J18.R
Net-(C10-Pad1): C10.1 R28.1 U6.5 U6.16
Net-(C12-Pad1): C12.1 R30.1
Net-(C12-Pad2): C12.2 U6.4
Net-(C15-Pad2): C15.2 D33.1 U6.17
Net-(D1-Pad2): D1.2 D12.1 R32.1
Net-(D2-Pad2): D2.2 D4.1 R33.1
Net-(D3-Pad2): D3.2 JP6.2
Net-(D5-Pad1): D5.1 R31.1
Net-(D6-Pad1): D6.1 R3.1
Net-(D11-Pad1): D11.1 D43.2 R43.1
Net-(D13-Pad1): D13.1 D24.2 RN7.5
Net-(D14-Pad1): D14.1 D28.2 RN7.6
Net-(D15-Pad2): D15.2 D40.1 R15.2
Net-(D16-Pad1): D16.1 RN5.5
Net-(D17-Pad1): D17.1 RN5.7
Net-(D18-Pad1): D18.1 RN6.5
Net-(D19-Pad1): D19.1 RN6.7
Net-(D20-Pad1): D20.1 RN5.6
Net-(D21-Pad1): D21.1 RN5.8
Net-(D22-Pad1): D22.1 RN6.6
Net-(D23-Pad1): D23.1 RN6.8
Net-(D25-Pad2): D25.2 D34.1 RN7.7
Net-(D26-Pad2): D26.2 D36.1 RN8.5
Net-(D27-Pad2): D27.2 D38.1 RN8.7
Net-(D29-Pad2): D29.2 D35.1 RN7.8
Net-(D30-Pad2): D30.2 D37.1 RN8.6
Net-(D31-Pad2): D31.2 D39.1 RN8.8
Net-(D32-Pad1): D32.1 D33.2 R30.2
Net-(D42-Pad1): D7.2 D42.1 R42.2
Net-(G3-Pad1): G3.1 G3.6 G3.11
Net-(G3-Pad10): G3.5 G3.10 G3.15
Net-(G3-Pad12): G3.2 G3.7 G3.12
Net-(G3-Pad13): G3.3 G3.8 G3.13
Net-(G3-Pad14): G3.4 G3.9 G3.14
Net-(G4-Pad1): G4.1 G4.6 G4.11
Net-(G4-Pad10): G4.5 G4.10 G4.15
Net-(G4-Pad12): G4.2 G4.7 G4.12
Net-(G4-Pad13): G4.3 G4.8 G4.13
Net-(G4-Pad14): G4.4 G4.9 G4.14
Net-(G6-Pad1): G6.1 G6.6 G6.11
Net-(G6-Pad10): G6.5 G6.10 G6.15
Net-(G6-Pad12): G6.2 G6.7 G6.12
Net-(G6-Pad13): G6.3 G6.8 G6.13
Net-(G6-Pad14): G6.4 G6.9 G6.14
Net-(G7-Pad1): G7.1 G7.6 G7.11
Net-(G7-Pad10): G7.5 G7.10 G7.15
Net-(G7-Pad12): G7.2 G7.7 G7.12
Net-(G7-Pad13): G7.3 G7.8 G7.13
Net-(G7-Pad14): G7.4 G7.9 G7.14
Net-(J14-Pad1): J14.1 M6.E3
Net-(J15-Pad1): J15.1 M6.E4
Net-(J16-Pad1): J16.1 M6.W1
Net-(JP1-Pad1): JP1.1 PP1.1
Net-(JP2-Pad1): JP2.1 JP56.1 PP1.56
Net-(JP3-Pad1): JP3.1 PP1.3
Net-(JP4-Pad1): JP4.1 PP1.4
Net-(JP5-Pad1): JP5.1 PP1.5
Net-(JP7-Pad1): JP7.1 PP1.7
Net-(JP8-Pad1): JP8.1 PP1.8
Net-(JP14-Pad1): JP14.1 PP1.14
Net-(JP16-Pad1): JP16.1 PP1.16
Net-(JP17-Pad1): JP17.1 PP1.17
Net-(JP20-Pad1): JP20.1 PP1.20
Net-(JP21-Pad1): JP21.1 PP1.21
Net-(JP26-Pad1): JP26.1 PP1.26
Net-(JP27-Pad1): JP27.1 PP1.27
Net-(JP29-Pad1): JP29.1 PP1.29
Net-(JP31-Pad1): JP31.1 PP1.31
Net-(JP32-Pad1): JP32.1 PP1.32
Net-(JP33-Pad1): JP33.1 PP1.33
Net-(JP35-Pad1): JP35.1 PP1.35
Net-(JP36-Pad1): JP36.1 PP1.36
Net-(JP41-Pad1): JP41.1 PP1.41
Net-(JP42-Pad1): JP42.1 PP1.42
Net-(JP43-Pad1): JP43.1 PP1.43
Net-(JP46-Pad1): cr9.1 JP46.1 PP1.46
Net-(JP47-Pad1): JP47.1 PP1.47
Net-(JP48-Pad1): JP48.1 PP1.48
Net-(JP54-Pad1): JP54.1 PP1.54
Net-(JP59-Pad1): JP59.1 PP1.59
Net-(JP73-Pad1): JP73.1 PP1.73
Net-(JP77-Pad1): JP77.1 PP1.77
Net-(JP78-Pad1): JP78.1 PP1.78
Net-(JP85-Pad1): JP85.1 PP1.85
Net-(JP86-Pad1): JP86.1 PP1.86
Net-(M3-PadJ1): M3.J1 M3.J_GND1
Net-(M3-PadW2): M3.W2 M4.V2
Net-(M3-PadW3): M3.W3 M4.V6
Net-(M3-PadW4): M3.W4 M4.V5
Net-(M7-PadE3): M7.E3 VIN17.1
Net-(M7-PadE4): M7.E4 VIN16.1
Net-(M7-PadS1): M7.S1 VIN8.1
Net-(M7-PadS2): M7.S2 VIN9.1
Net-(M7-PadS4): M7.S4 VIN10.1
Net-(M7-PadS9): M7.S9 VIN5.1
Net-(M7-PadS19): M7.S19 U1.4
Net-(M7-PadS21): M7.S21 VIN1.1
Net-(M7-PadS22): M7.S22 VIN4.1
Net-(M7-PadS23): M7.S23 VIN2.1
Net-(M7-PadS25): M7.S25 VIN6.1
Net-(M7-PadS26): M7.S26 VIN3.1
Net-(M9-PadS1): M9.S1 VOUT22.1
Net-(M9-PadS2): M9.S2 VOUT23.1
Net-(M9-PadS4): M9.S4 VOUT14.1
Net-(M9-PadS5): M9.S5 VOUT15.1
Net-(M9-PadS9): M9.S9 VOUT5.1
Net-(M9-PadS10): M9.S10 VOUT10.1
Net-(M9-PadS12): M9.S12 VOUT8.1
Net-(M9-PadS13): M9.S13 VOUT11.1
Net-(M9-PadS14): M9.S14 VOUT9.1
Net-(M9-PadW1): M9.W1 VOUT2.1
Net-(M9-PadW3): M9.W3 VOUT3.1
Net-(M9-PadW8): M9.W8 VOUT4.1
Net-(M9-PadW9): M9.W9 VOUT7.1
Net-(M9-PadW21): M9.W21 VOUT24.1
Net-(M9-PadW25): M9.W25 VOUT26.1
Net-(M9-PadW27): M9.W27 VOUT13.1
Net-(M9-PadW29): M9.W29 VOUT25.1
Net-(M9-PadW30): M9.W30 VOUT21.1
Net-(M9-PadW31): M9.W31 VOUT20.1
Net-(M9-PadW32): M9.W32 VOUT19.1
Net-(M9-PadW33): M9.W33 VOUT18.1
Net-(M9-PadW35): M9.W35 VOUT16.1
Net-(M9-PadW36): M9.W36 VOUT17.1
Net-(M9-PadW37): M9.W37 VOUT12.1
Net-(M9-PadW39): M9.W39 VOUT27.1
Net-(M11-PadE1): M11.E1 MMCU9.1
Net-(M11-PadE2): M11.E2 MMCU10.1
Net-(M11-PadE3): M11.E3 MMCU11.1
Net-(M11-PadE4): M11.E4 MMCU12.1
Net-(M11-PadE5): M11.E5 MMCU13.1
Net-(M11-PadE9): M11.E9 MMCU28.1
Net-(M11-PadE10): M11.E10 MMCU18.1
Net-(M11-PadE11): M11.E11 MMCU30.1
Net-(M11-PadE12): M11.E12 MMCU15.1
Net-(M11-PadE13): M11.E13 MMCU31.1
Net-(M11-PadE16): M11.E16 MMCU14.1
Net-(M11-PadE20): M11.E20 MMCU40.1
Net-(M11-PadE22): M11.E22 MMCU29.1
Net-(M11-PadE23): M11.E23 MMCU38.1
Net-(M11-PadE24): M11.E24 MMCU32.1
Net-(M11-PadN4): M11.N4 MMCU2.1
Net-(M11-PadN5): M11.N5 MMCU1.1
Net-(M11-PadN6): M11.N6 MMCU4.1
Net-(M11-PadN7): M11.N7 MMCU3.1
Net-(M11-PadN12): M11.N12 MMCU24.1
Net-(M11-PadN13): M11.N13 MMCU25.1
Net-(M11-PadN14): M11.N14 MMCU26.1
Net-(M11-PadN15): M11.N15 MMCU27.1
Net-(M11-PadN25): M11.N25 MMCU5.1
Net-(M11-PadN26): M11.N26 MMCU6.1
Net-(M11-PadN27): M11.N27 MMCU7.1
Net-(M11-PadN32): M11.N32 MMCU8.1
Net-(M11-PadS3): M11.S3 MMCU22.1
Net-(M11-PadS4): M11.S4 MMCU23.1
Net-(M11-PadS5): M11.S5 MMCU35.1
Net-(M11-PadS6): M11.S6 MMCU16.1
Net-(PP1-Pad11): cr1.1 PP1.11
Net-(PP1-Pad12): cr2.1 PP1.12
Net-(PP1-Pad13): cr3.1 PP1.13
Net-(PP1-Pad18): cr6.1 PP1.18
Net-(PP1-Pad19): cr7.1 PP1.19
Net-(PP1-Pad30): cr8.1 PP1.30
Net-(PP1-Pad37): cr10.1 PP1.37
Net-(PP1-Pad38): cr11.1 PP1.38
Net-(PP1-Pad60): cr12.1 PP1.60
Net-(PP1-Pad62): cr13.1 PP1.62
Net-(PP1-Pad64): cr14.1 PP1.64
Net-(PP1-Pad65): cr15.1 PP1.65
Net-(PP1-Pad66): cr16.1 PP1.66
Net-(PP1-Pad67): cr17.1 PP1.67
Net-(PP1-Pad68): cr18.1 PP1.68
Net-(PP1-Pad81): cr19.1 PP1.81
Net-(PP1-Pad82): cr20.1 PP1.82
Net-(PP1-Pad83): cr21.1 PP1.83
Net-(PP1-Pad87): cr22.1 PP1.87
Net-(PP1-Pad88): cr23.1 PP1.88
Net-(Q1-Pad1): Q1.1 R17.1
Net-(Q2-Pad1): Q2.1 R19.1
Net-(Q3-Pad1): Q3.1 R21.1
Net-(Q4-Pad1): Q4.1 R22.1
Net-(Q5-Pad1): Q5.1 R20.1
Net-(Q6-Pad1): Q6.1 R18.1
Net-(Q7-Pad1): Q7.1 R23.1
Net-(Q8-Pad1): Q8.1 R24.1

Pads without a net: J1 4 6; J2 4; J18 RN TN; M3 J2 J_GND2 J_VCC1 J_VCC2 W5 W6 W7 W8; M7 J8 J9 J10 J15 J16 J24; PP1 9 10 53 57 58 61 63 72 74 75 76 79 80; Q9 4; Q10 4; U1 1 5 6 7 8; U2 4 5 6; U3 5 11 12; U4 7; U7 2 4 6; U8 2 4 6

## Via types
v1: diameter 0.6, hole 0.3, Top to Bottom, 297 vias
v2: diameter 0.8, hole 0.4, Top to Bottom, 103 vias
v3: diameter 1.3, hole 1, Top to Bottom, 2 vias
v4: diameter 0.813, hole 0.406, Top to Bottom, 1 via

## Routing (per net, layer and track width the routed paths; a pad name or vN(x,y) marks a point on that pad's centre or on a via; arc(x,y) is an arc through that point)
+3V3: length 222.1
  Top w0.2: 105.11,10.37 104.64,10.84 U4.1 103.46,10.51 U4.10 103.46,10.49 102.51,11.44 U4.6 101.69,11.44 101.36,11.11 101.36,10.36 101.08,10.07 99.68,10.07 99.68,9.1 ; v1(21.48,42.63) 23.18,42.63 24.76,41.05 26.09,41.05 26.47,41.42 32.28,41.42 TP3.1 38.43,38.52 D6.2 ; 99.66,9.08 99.66,8.61 99.17,8.12 93.08,8.12 92.23,8.97 91.93,8.97
  Top w0.4: M13.V1 124.59,14 119.01,8.42 106.96,8.42 105.83,9.55 v2(105.83,10.12) 105.5,10.12 C4.1
  Bottom w0.4: 94.72,17.38 93.08,17.38 ; 94.72,17.38 92.97,17.38 89.75,20.6 M11.N16 ; 94.72,17.38 97.4,17.38 100.45,14.32 104.87,14.32 105.63,13.57 105.63,10.32 v2(105.83,10.12) 103.98,8.27 88.33,8.27 87.68,8.92 87.68,9.42 86.63,10.47 76.33,10.47 73.73,13.07 73.73,15.02 73,15.75 42.57,15.75 22.95,35.37 22.04,35.37 21.48,35.93 v1(21.48,42.63) 21.48,49.71 18.47,52.72 17.23,52.72 15.21,54.73 15.21,56.7 15.73,57.21 15.73,67.88 J4.3
+5V: length 403.8
  Top w0.2: v1(91,83.3) 95.3,87.6 100.47,87.6 U8.5 101.03,87.85 102.12,86.75 111.51,86.75 U7.5 ; 22.53,50.62 22.25,50.9 21.25,50.9 20.93,50.57 20.93,49.62 20.63,49.32 19.73,49.32 18.93,50.12 18.93,55.62 17.73,56.82 17.73,60.55 15.05,63.22 13.53,63.22 13.01,63.74 13.01,65.76 J4.4 ; v1(84.3,73.85) 83.71,73.85 83.03,74.53 83.03,77.57 82.58,78.02 78.79,78.02 78.25,78.56 M6.N1 ; 22.52,50.62 24.23,50.62 24.83,50.02 24.83,49.7 25.12,49.41 25.8,49.41 C6.1 26.41,48.67 U5.8 25.68,48.43 25.38,48.13 25.38,45.47 25.63,45.22 27.99,45.22 28.03,45.18 v1(28.03,43.92)
  Top w0.4: v1(28.03,43.92) 29.78,43.92 31.43,42.27 34.43,42.27 ; 34.43,42.27 34.47,42.23 35.18,42.23 ; 34.43,42.27 58.57,42.27 59.58,43.28 59.58,44.42 59.43,44.58 59.43,63.82 v1(59.83,64.22) ; v2(87.38,7.02) 87.69,7.34 95.54,7.34 ; M1.E1 16.79,33.88 16.88,33.97 16.88,34.8 17.49,35.41 18.36,35.41 19.78,36.83 v1(19.78,36.88)
  Top w0.6: D5.2 35.43,41.27 TP2.1 35.18,42.23
  In1.Cu w0.4: v1(28.03,43.92) 24.65,43.92 19.78,39.05 v1(19.78,36.88) 19.78,33.38 17.37,30.97 10.78,30.97 9.13,32.62 2.56,32.62 0.49,30.55 0.49,29.87 1.24,29.12 24.28,29.12 35.73,17.67 71.69,17.67 72.05,17.32 72.05,15.13 74.93,12.25 74.93,4.02 ; 74.93,4.02 76.92,6.02 M4.V1 ; 74.93,4.02 M3.W1
  In2.Cu w0.3: v2(87.38,7.02) 87.48,6.92 87.48,3.1 86.8,2.42 81.46,2.42 78.44,5.45 M4.V1
  Bottom w0.2: v1(91,83.3) 86.25,83.3 86.1,83.15 86.1,80.57 84.66,79.13 84.66,78.66 83.45,77.45 83.45,74.05 83.77,73.73 84.08,73.73 ; M5.V2 124.86,7.46 132,14.6 136.19,14.6 136.25,14.66 136.25,15.9 128.63,23.52 128.63,24.51 127.86,25.27 124.48,25.27 123.53,24.32 M2.V1
  Bottom w0.4: 79.15,57.4 79.15,58.05 78.93,58.27 65.7,58.27 59.83,64.14 v1(59.83,64.22) 59.68,64.37 59.68,67.77 59.43,68.02 M9.W14 ; 84.25,73.9 84.08,73.73 84.08,62.07 82.78,60.77 78.52,60.77 77.93,60.18 77.93,58.27 ; 84.25,73.9 84.3,73.85 v1(84.3,73.85) ; 84.25,73.9 M7.E2
+5VA: length 247.3
  Top w0.2: M7.J17 96.93,77.32 ; M7.J18 96.06,77.32 ; M7.J7 106.71,77.32 ; M7.J21 93.13,77.32
  Top w0.3: M8.E1 19.21,46.81 v1(19.68,47.27) ; M12.E1 19.21,42.06 19.68,42.52 19.68,43.77 v1(19.93,44.02)
  Top w0.4: C1.1 C2.1 42.64,26.5 U2.3 40.18,25.16 40.18,23.67 41.07,22.77 45.2,22.77 46.04,21.93 U1.2 ; R34.2 v1(105.02,95.63) R27.2
  In1.Cu w0.3: 30.59,45.66 30.59,41.66 32.08,40.17 32.08,34.87 v1(28.33,31.12) ; 30.59,45.66 30.59,55.76 27.78,58.57 27.78,59.77 27.53,60.02 27.53,94.17 28.83,95.47 28.83,101.42 29.48,102.07 82.42,102.07 83.93,100.57 83.93,95.02 85.18,93.77 85.18,85.85 86.13,84.9 86.13,79.75 ; 30.59,45.66 27.86,45.66 27.53,45.32 21.63,45.32 v1(19.68,47.27) ; 86.13,79.75 86.2,79.68 92.58,79.68 93.15,80.25 93.15,82.14 93.53,82.51 93.53,90.22 94.73,91.42 98.32,91.42 102.53,95.63 v1(105.02,95.63) ; 86.13,79.75 v1(85.26,78.88) ; v1(28.23,29.02) 29.55,27.7 40.33,27.7 U2.3
  In2.Cu w0.3: v1(28.23,29.02) 28.23,31.02 v1(28.33,31.12)
  Bottom w0.2: M7.N1 114.8,57.4
  Bottom w0.3: v1(85.26,78.88) 85.62,78.52 M7.E5 ; v1(19.68,47.27) 19.93,47.02 v1(19.93,44.02)
